# Altium PCB I2C_Jog_Controller.pcbdoc (part 6 of 9)
Units mil, origin at the board's own origin, x right, y up, seen from the top; angles counter-clockwise.
Board outline 3937.01 x 3937.01 mil, 2 copper layers (Top Layer, Bottom Layer), stack 65.398 mil thick; 211 components, 144 nets, 5702 pads, 342 vias.
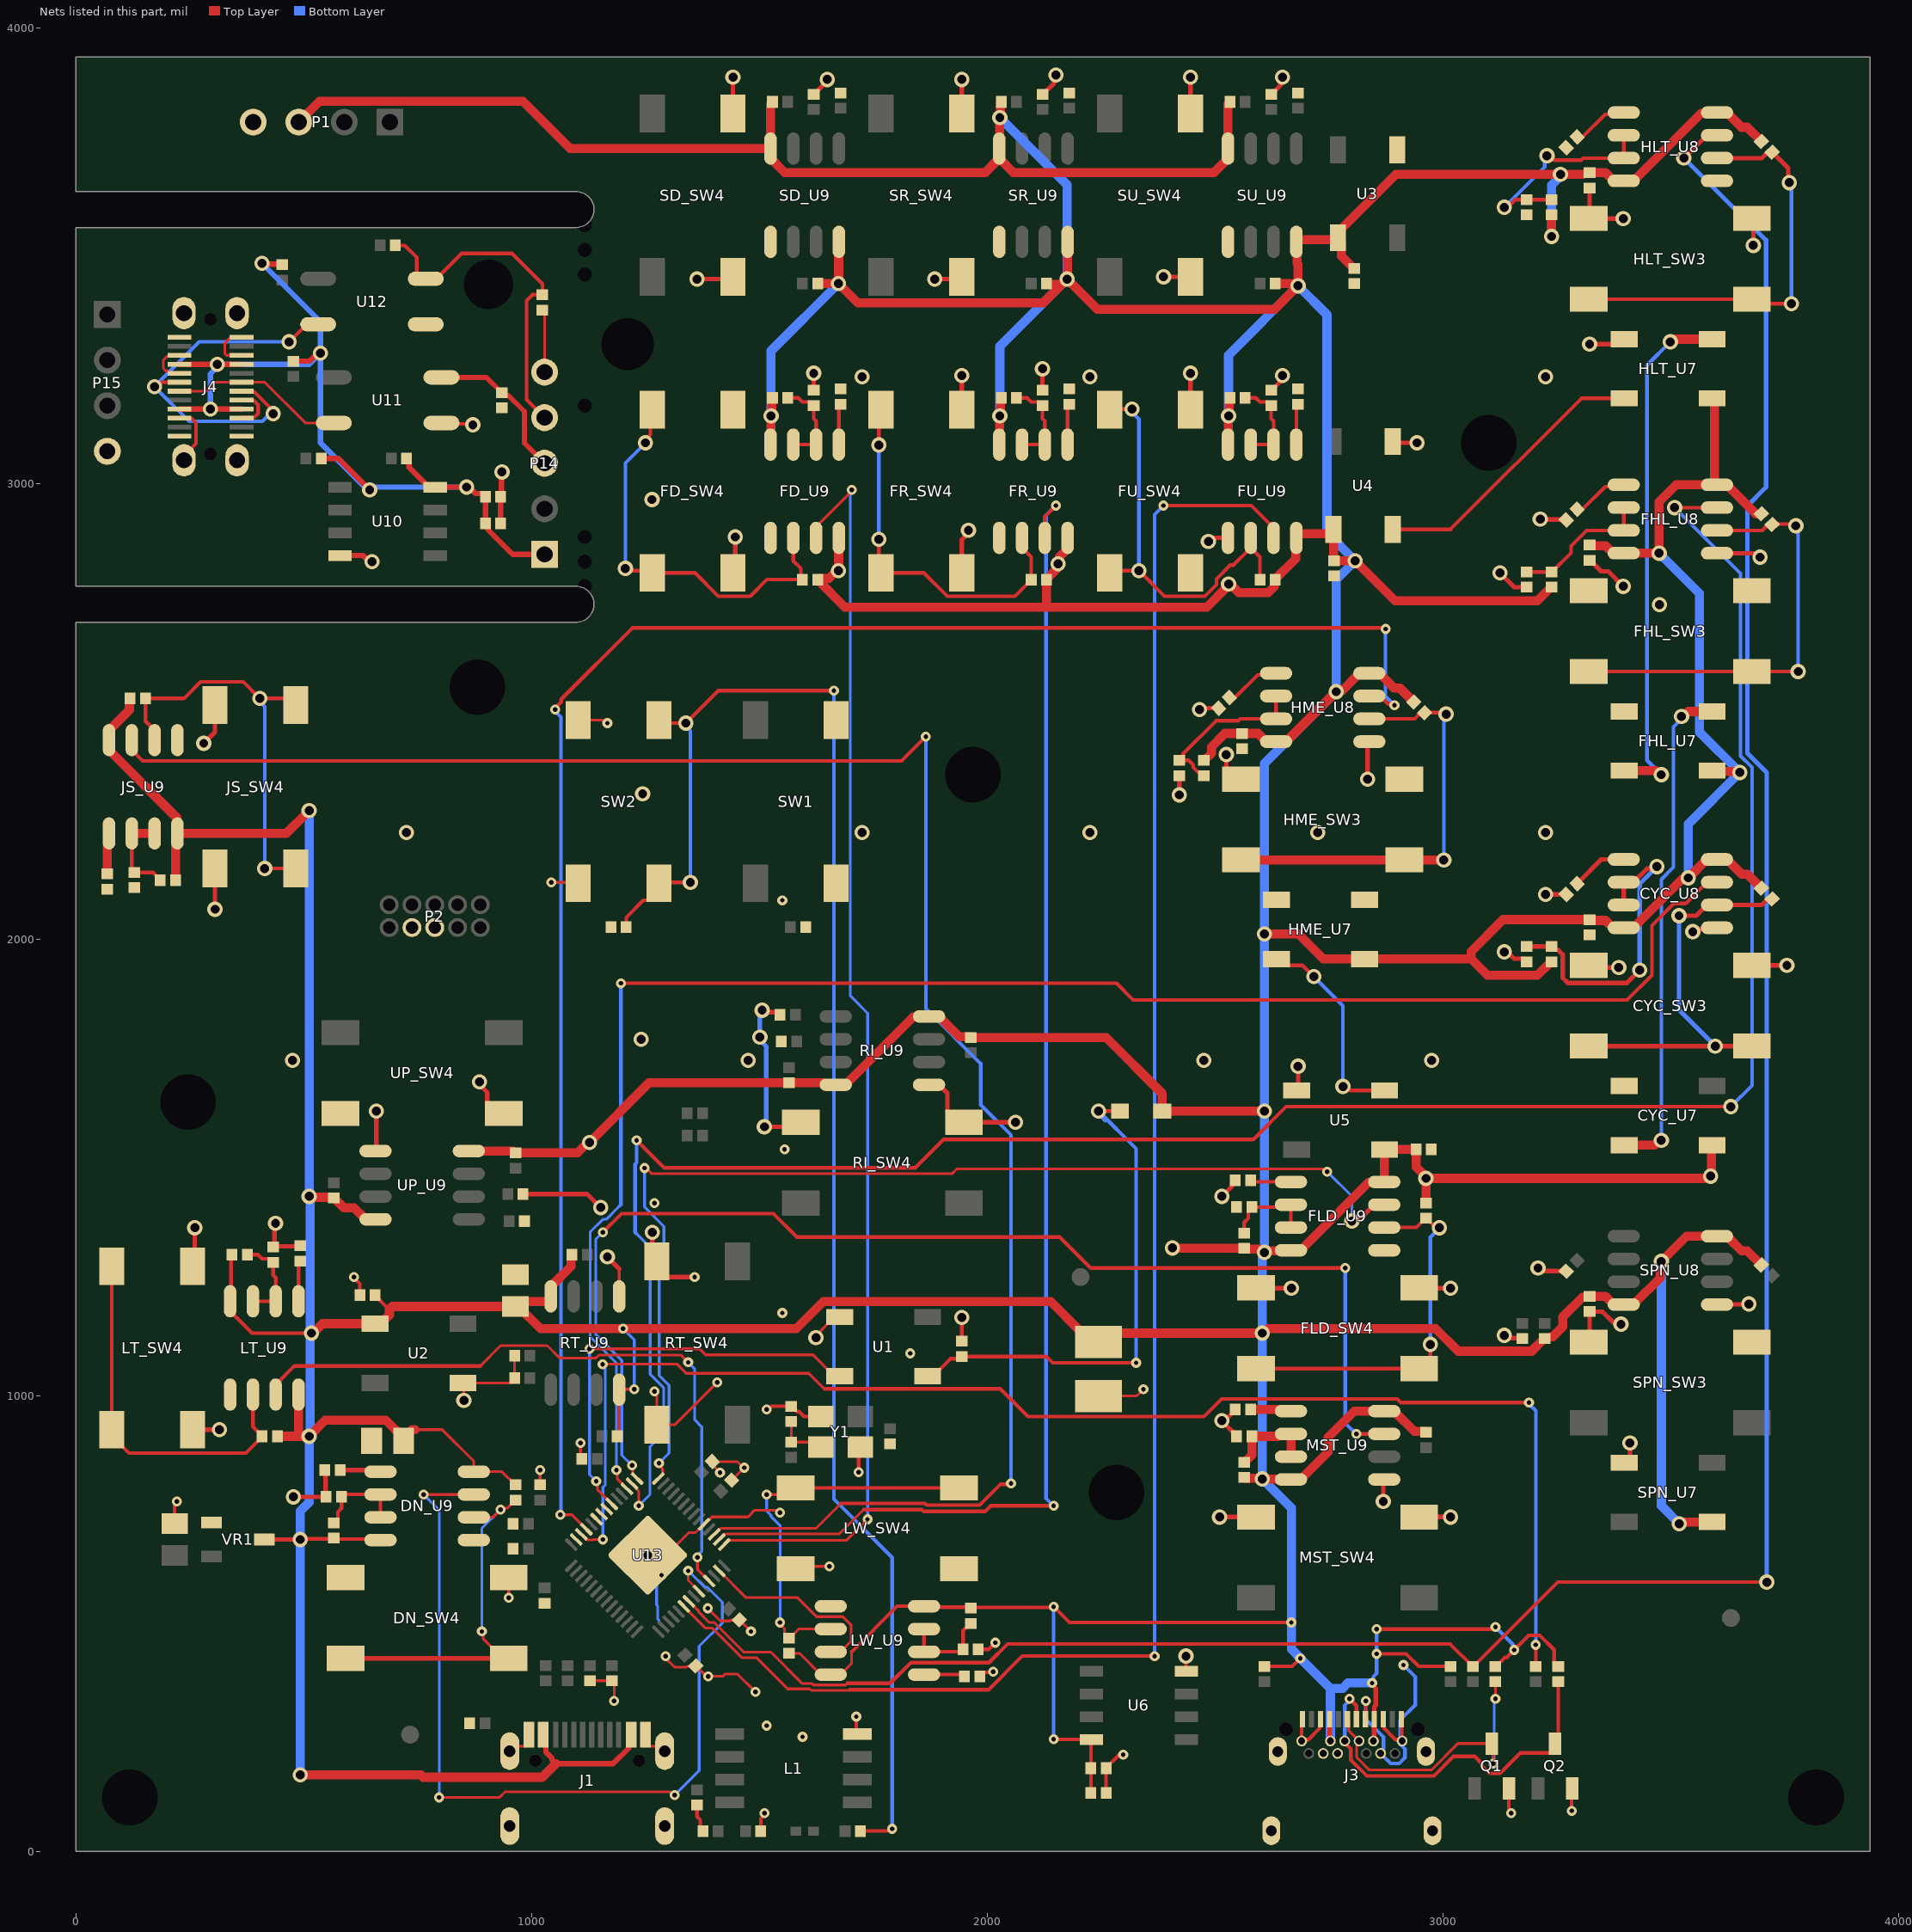
[diagram p6: the nets of this part, all layers, seen from the top]

## Via types
v1: diameter 33.46, hole 19.68, Top Layer to Bottom Layer, tented both sides, 196 vias
v2: diameter 22, hole 10, Top Layer to Bottom Layer, tented both sides, 146 vias

## Nets (pads, with @x,y where several pads share a name; then routed paths per layer and width w, separated by ;. In a path a pad name is that pad's centre, name@x,y a point inside that pad or via, vN(x,y) a via of type N, cw(c..) or ccw(c..) an arc to the next point about the centre after c; other vN are vias at no path point) (continued)
+5V: C4.2 C5.2 C6.2 C7.2 C8.2 C9.2 C20.2 C36.2 C37.1 CYC_C12.2 CYC_R13.1 CYC_R14.1 CYC_U7.1 CYC_U8.4 CYC_U8.8 D1.1 DN_R15.1 DN_R16.1 DN_U9.4 DN_U9.8 FD_R15.1 FD_R16.1 FD_U9.4 FD_U9.8 FHL_C12.2 FHL_R13.1 FHL_R14.1 FHL_U7.1 FHL_U8.4 FHL_U8.8 FLD_R15.1 FLD_R16.1 FLD_U9.4 FLD_U9.8 FR_R15.1 FR_R16.1 FR_U9.4 FR_U9.8 FU_R15.1 FU_R16.1 FU_U9.4 FU_U9.8 HLT_C12.2 HLT_R13.1 HLT_R14.1 HLT_U7.1 HLT_U8.4 HLT_U8.8 HME_C12.2 HME_R13.1 HME_R14.1 HME_U7.1 HME_U8.4 HME_U8.8 J1.A4B9 J1.B4A9 J3.A4 J3.A9 J3.B4 J3.B9 JS_R15.1 JS_R16.1 JS_U9.4 JS_U9.8 LT_R15.1 LT_R16.1 LT_U9.4 LT_U9.8 LW_R15.1 LW_R16.1 LW_U9.4 LW_U9.8 MST_R15.1 MST_R16.1 MST_U9.4 MST_U9.8 P1.3 R6.1 R7.1 R23.2 R24.2 RI_R15.1 RI_R16.1 RI_U9.4 RI_U9.8 RT_R15.1 RT_R16.1 RT_U9.4 RT_U9.8 SD_R15.1 SD_R16.1 SD_U9.4 SD_U9.8 SPN_C12.2 SPN_R13.1 SPN_R14.1 SPN_U7.1 SPN_U8.4 SPN_U8.8 SR_R15.1 SR_R16.1 SR_U9.4 SR_U9.8 SU_R15.1 SU_R16.1 SU_U9.4 SU_U9.8 U2.1 U3.1 U4.1 U5.1 U6.8 UP_R15.1 UP_R16.1 UP_U9.4 UP_U9.8 VR1.3 | length 33200.9
  Top Layer w6: 743.7,925.2 803.49,925.2 873.03,855.65 DN_U9.4@873.03,832.87 934.84,832.87 963.58,804.13 DN_R16.1@964.57,804.13 ; RT_R15.1@1187.99,910.43 1192.13,914.57 RT_U9.8@1192.13,1012.8 1193.11,1013.78 v2(1225.39,1013.78) ; LW_R16.1@1564.96,434.06 1588.39,434.06 1634.84,387.6 1678.15,387.6 1701.93,411.38 1701.93,437.17
  Top Layer w8: LT_R15.1@342.52,1309.06 340.45,1306.99 340.45,1208.76 LT_U9.8@338.39,1206.69 338.39,1185.04 386.61,1136.81 v1(516.73,1136.81) ; v1(492.13,684.06) 493.6,685.53 564.47,685.53 DN_R15.1@565.94,687.01 568.01,684.94 666.24,684.94 DN_U9.8@668.31,682.87 ; C5.2@656.5,1220.47 656.5,1219.49 680.71,1195.28 694.29,1195.28 ; 1701.93,437.17 1802.36,537.6 LW_U9.8@1861.22,537.6 1863.29,535.53 1961.52,535.53 LW_R15.1@1963.58,533.46 1965.06,534.94 2147.15,534.94 2180.12,501.97 v2(2667.32,501.97) ; v2(2145.67,246.06) 2146.26,245.47 2227.76,245.47 U6.8@2228.35,244.88 2227.36,243.9 C8.2@2227.36,127.95 ; R24.2@2608.27,405.51 2669.29,405.51 v2(2687.01,423.23) ; v2(2854.33,433.07) 2919.25,433.07 2946.81,405.51 R23.2@3016.73,405.51 ; v2(2854.33,487.2) 3106.45,487.2 3111.37,492.13 v2(3115.16,492.13) ; R7.1@3115.16,405.51 3116.14,405.51 3135.79,425.16 3139.73,425.16 3188.32,473.76 3212.44,473.76 3244.16,442.04 3244.16,412.34 R6.1@3252.95,403.54
  Top Layer w10: VR1.3@413.39,684.06 v1(492.13,684.06) ; J3.A4@2750.98,289.57 2751.88,288.66 2751.88,243 J3.B9@2752.95,241.93 ; v2(2844.49,369.09) 2844.49,365.85 2852.6,357.73 2852.6,320.49 2849.41,317.29 J3.A9@2849.41,289.57 2848.5,288.66 2848.5,242.99 J3.B4@2847.44,241.93
  Top Layer w12: J1.A4B9@1025.59,255.71 1031.4,249.9 1031.4,217.8 1044.66,204.54 1044.66,200.41 1053.15,191.93 1178.58,191.93 1212.69,226.04 1212.69,249.9 J1.B4A9@1218.5,255.71
  Top Layer w20: JS_R16.1@119.09,2529.53 117.28,2527.72 117.28,2504.29 75.11,2462.11 75.11,2440.46 JS_U9.4@72.64,2437.99 75.11,2435.52 75.11,2413.87 221.19,2267.78 221.19,2234.71 JS_U9.8@222.64,2233.27 ; JS_R15.1@218.5,2130.91 218.5,2205.43 222.64,2209.57 JS_U9.8@222.64,2233.27 ; LT_R16.1@441.93,910.43 488.39,910.43 ; LT_U9.4@488.39,1001.97 488.39,910.43 ; P1.3@488.98,3794.29 534.5,3839.82 981.2,3839.82 1084.79,3736.22 SD_U9.8@1524.41,3736.22 ; v1(492.13,167.32) 757.18,167.32 762.16,162.35 1023.57,162.35 1053.15,191.93 ; v1(511.81,1437.01) 513.94,1434.88 565.12,1434.88 588.09,1411.91 610.53,1411.91 633.36,1389.08 655.01,1389.08 UP_U9.4@657.48,1386.61 ; v1(511.81,2283.46) 461.61,2233.27 JS_U9.8@222.64,2233.27 ; v1(516.73,1136.81) 520.38,1136.81 541.05,1157.48 668.31,1157.48 687.99,1177.17 687.99,1188.98 694.29,1195.28 C20.2@970.67,1195.28 ; C36.2@719.09,900.59 C36.2@719.09,906.69 ; 743.7,925.2 737.6,925.2 C36.2@719.09,906.69 ; UP_U9.8@862.2,1536.61 959.45,1536.61 961.77,1534.29 962.76,1534.29 UP_R15.1@964.57,1532.48 1100.69,1532.48 1123.32,1555.12 v1(1126.97,1555.12) 1257.87,1686.02 1562.17,1686.02 1563.98,1684.21 RI_R15.1@1564.96,1684.21 ; RT_R16.1@1088.58,1309.06 1086.77,1307.24 1086.77,1283.82 1044.59,1241.64 1044.59,1219.99 RT_U9.4@1042.13,1217.52 1042.13,1209.89 1038.63,1206.4 981.79,1206.4 C20.2@970.67,1195.28 ; v2@1199.86,1146.27 1199.86,1146.65 1019.29,1146.65 C20.2@970.67,1195.28 ; v2@1201.71,1146.27 1201.71,1146.65 1580.72,1146.65 1640.03,1205.96 2139.51,1205.96 2202.91,1142.56 2238.35,1142.56 2244.09,1136.81 v1(2603.35,1136.81) ; FD_U9.8@1524.41,3086.61 1525,3087.21 1525,3149.02 1527.07,3151.08 1527.07,3187.5 FD_R15.1@1528.54,3188.98 ; SD_R15.1@1528.54,3838.58 1526.73,3836.77 1526.73,3835.79 1524.41,3833.46 SD_U9.8@1524.41,3736.22 ; RI_R15.1@1564.96,1686.02 1639.49,1686.02 1643.62,1681.89 RI_U9.8@1667.32,1681.89 1669.79,1684.36 1691.45,1684.36 1837.53,1830.44 1870.6,1830.44 RI_U9.4@1872.05,1831.89 1874.52,1829.42 1896.17,1829.42 1938.35,1787.24 1961.77,1787.24 RI_R16.1@1963.58,1785.43 1966.38,1785.43 2260.98,1785.43 2384.06,1662.35 D1.1@2384.06,1624.02 v1(2608.27,1624.02) ; SD_R16.1@1627.95,3439.96 v1(1673.23,3439.96) ; FD_U9.4@1674.41,2881.89 1673.82,2881.3 1673.82,2810.63 1670.18,2810.63 1652.69,2793.15 1629.76,2793.15 1627.95,2791.34 FD_R16.1@1627.95,2790.35 1629.76,2788.54 1629.76,2787.56 1687.54,2729.79 2481.86,2729.79 2529.53,2777.46 v1(2529.53,2780.51) 2533.17,2780.51 2552.12,2761.56 2616.86,2761.56 2630.08,2774.77 2630.08,2789.53 2676.9,2836.35 2676.9,2886.3 2681.84,2891.24 2752.13,2891.24 2759.84,2898.96 U4.1@2759.84,2900.59 ; SD_U9.4@1674.41,3531.5 1673.82,3530.91 1673.82,3440.55 v1(1673.23,3439.96) ; SR_U9.8@2023.91,3712.1 1995.42,3683.61 1555.37,3683.61 1526.88,3712.1 1526.88,3733.75 SD_U9.8@1524.41,3736.22 ; FR_U9.8@2026.38,3086.61 2026.97,3087.2 2026.97,3149.02 2029.04,3151.08 2029.04,3187.5 FR_R15.1@2030.51,3188.98 ; SR_U9.8@2026.38,3717.93 SR_U9.8@2026.38,3736.22 2026.97,3736.81 v1@2026.97,3803.54 ; SR_U9.8@2028.85,3712.1 2057.33,3683.61 2497.39,3683.61 2525.88,3712.1 2525.88,3733.75 SU_U9.8@2528.35,3736.22 2528.35,3833.46 2530.67,3835.79 2530.67,3836.77 SU_R15.1@2532.48,3838.58 ; v1@2029.04,3805.61 2029.04,3837.11 SR_R15.1@2030.51,3838.58 ; 2129.92,2729.79 2129.92,2747.56 FR_R16.1@2129.92,2790.35 2131.73,2792.17 2131.73,2793.15 2152.94,2814.35 2152.94,2822.23 2158.09,2827.38 2158.09,2839.9 2176.38,2858.19 FR_U9.4@2176.38,2881.89 ; SR_R16.1@2129.92,3439.96 2131.73,3438.14 2163.53,3438.14 2122.78,3397.39 1715.8,3397.39 v1(1673.23,3439.96) ; SR_U9.4@2176.38,3531.5 2175.79,3530.91 2175.79,3450.39 v1(2175.2,3449.8) 2241.61,3383.39 2630.43,3383.39 v1(2682.09,3435.04) ; v1(2406.5,1323.82) 2406.99,1323.33 2563.48,1323.33 2565.79,1321.02 v1@2597.14,1321.02 ; HME_R13.1@2475.39,2393.7 2476.38,2393.7 2491.87,2409.2 2491.87,2422.87 2521.76,2452.76 2593.85,2452.76 2611.76,2434.84 2655.91,2434.84 2765.35,2544.29 v1(2765.75,2544.29) ; FU_U9.8@2528.35,3086.61 2528.94,3087.2 2528.94,3149.02 2531,3151.08 2531,3187.5 FU_R15.1@2532.48,3188.98 ; MST_R15.1@2563.98,819.88 2565.45,818.41 2601.87,818.41 2603.94,816.34 2665.75,816.34 MST_U9.8@2666.34,815.75 2668.81,818.22 2690.46,818.22 2748.05,875.8 2748.05,908.16 2805.63,965.75 MST_U9.4@2871.06,965.75 2873.53,963.28 2895.19,963.28 2937.36,921.1 2960.79,921.1 MST_R16.1@2962.6,919.29 ; v1(2608.27,2012.8) 2682.51,2012.8 2737.63,1957.68 3062.01,1957.68 ; v1@2615.19,1317.25 2664.89,1317.25 2668.81,1321.17 2690.46,1321.17 2836.55,1467.25 2869.62,1467.25 2871.56,1469.19 2871.56,1538.88 2872.54,1539.86 2940.45,1539.86 C4.2@2940.94,1540.35 2940.94,1501.68 2962.6,1480.02 v1(2962.6,1476.38) ; 2617.11,1146.93 2984.01,1146.93 3033.75,1097.19 3194.63,1097.19 3220.63,1123.19 3221.61,1123.19 SPN_R13.1@3223.43,1125 ; SU_R16.1@2631.89,3439.96 2673.52,3439.96 2678.44,3435.04 v1(2682.09,3435.04) ; U4.1@2760.33,2881.4 2760.33,2832.19 C6.2@2760.83,2831.69 v1(2807.09,2831.69) 2894.96,2743.82 3207.4,2743.82 3235.39,2771.81 3236.38,2771.81 FHL_R13.1@3238.19,2773.62 ; U3.1@2769.69,3528.54 2762.3,3535.93 2681.84,3535.93 2678.35,3532.43 SU_U9.4@2678.35,3531.5 2679.79,3530.05 2679.79,3484.07 2682.09,3481.77 v1(2682.09,3435.04) ; v1@2778.95,2546.87 2816.93,2584.84 HME_U8.4@2838.58,2584.84 2841.05,2582.37 2862.71,2582.37 2892.41,2552.66 2905.01,2552.66 HME_R14.1@2936,2521.67 ; C7.2@2805.12,3473.43 2803.31,3475.24 2802.32,3475.24 2777.4,3500.16 2777.4,3532.64 U3.1@2769.69,3540.35 2769.69,3552.17 2896.93,3679.41 3307.72,3679.41 ; FLD_R16.1@2962.6,1422.24 v1(2962.6,1476.38) ; 3237.55,1128.66 3240.86,1128.66 3262.54,1150.35 3262.54,1171.98 3306.27,1215.71 3320.04,1215.71 SPN_C12.2@3321.85,1217.52 3356.65,1217.52 3374.56,1199.61 3416.26,1199.61 3418.73,1202.08 3420.78,1202.08 3476.75,1258.05 3476.75,1291.71 3534.65,1349.61 SPN_U8.4@3601.38,1349.61 3603.85,1347.14 3625.5,1347.14 3655.21,1317.43 3667.81,1317.43 SPN_R14.1@3698.8,1286.44 ; CYC_R13.1@3238.19,1951.77 3236.38,1949.96 3235.39,1949.96 3207.4,1921.97 3097.72,1921.97 3062.01,1957.68 ; v1(3238.19,3543.31) HLT_R13.1@3238.19,3590.55 ; FHL_C12.2@3321.85,2866.14 3323.66,2864.33 3356.85,2864.33 3372.95,2848.23 v1(3474.51,2848.23) 3474.51,2960.56 3512.17,2998.23 FHL_U8.4@3601.38,2998.23 ; HLT_C12.2@3321.85,3683.07 3356.65,3683.07 3374.56,3665.16 HLT_U8.8@3396.65,3665.16 3399.12,3667.63 3420.78,3667.63 3566.86,3813.71 3599.93,3813.71 HLT_U8.4@3601.38,3815.16 3603.85,3812.69 3625.5,3812.69 3655.21,3782.98 3667.81,3782.98 3697.52,3753.27 HLT_R14.1@3698.8,3751.99 ; v1(3518.7,718.5) 3522.34,718.5 3526.28,722.44 SPN_U7.1@3590.55,722.44 ; CYC_U7.1@3590.55,1549.21 3589.07,1547.74 3589.07,1482.78 v1(3587.6,1481.3) 3583.95,1481.3 3579.03,1476.38 v1(2962.6,1476.38) ; FHL_U7.1@3590.55,2371.06 3592.52,2369.09 3649.61,2369.09 v1(3651.57,2367.13) ; HLT_U7.1@3590.55,3187.99 3595.96,3182.58 3595.96,3001.72 3599.46,2998.23 FHL_U8.4@3601.38,2998.23 ; CYC_R14.1@3698.8,2113.21 3667.81,2144.2 3655.21,2144.2 3625.5,2173.91 3603.85,2173.91 CYC_U8.4@3601.38,2176.38 3579.27,2176.38 3538.74,2135.85 v1(3538.28,2135.85) 3535.7,2133.27 3525.2,2133.27 3420.78,2028.85 3399.12,2028.85 CYC_U8.8@3396.65,2026.38 3372.95,2026.38 3356.85,2042.48 3323.66,2042.48 CYC_C12.2@3321.85,2044.29 3132.05,2044.29 3062.01,1974.25 3062.01,1957.68 ; FHL_R14.1@3698.8,2935.06 3698.1,2934.36 3686.9,2934.36 3625.5,2995.76 3603.85,2995.76 FHL_U8.4@3601.38,2998.23 ; 488.39,910.43 v1(511.81,910.43) 546.91,945.53 680.26,945.53 C36.2@719.09,906.69
  Bottom Layer w6: v2(1200.79,1146.65) 1225.39,1122.05 v2(1225.39,1013.78)
  Bottom Layer w8: v2(2145.67,246.06) v2(2145.67,536.42) ; v2(2844.49,369.09) 2847.17,371.77 2847.17,383.18 2854.33,390.34 v2(2854.33,487.2) ; v2(3115.16,492.13) 3153.46,453.82 3153.46,444.25 v2(3156.14,441.57)
  Bottom Layer w20: v1(492.13,167.32) 492.13,746.31 511.81,765.99 v1(511.81,910.43) 514.27,912.89 v1@514.27,1134.35 ; v1(511.81,2283.46) v1(511.81,1437.01) 514.27,1434.55 v1@514.27,1139.27 ; v1(1525.59,3149.61) 1525.59,3292.32 v1(1673.23,3439.96) ; v1(2027.56,3149.61) 2027.56,3302.17 v1(2175.2,3449.8) 2175.2,3656.5 v1(2027.56,3804.13) ; v1(2529.53,3149.61) 2529.53,3282.48 v1(2682.09,3435.04) 2745.5,3371.63 2745.5,2893.28 v1(2807.09,2831.69) 2765.75,2790.35 v1(2765.75,2544.29) 2608.27,2386.81 2608.27,1310.33 2603.35,1305.41 v1(2603.35,816.93) 2667.32,752.95 2667.32,443.45 2687.01,423.77 v2(2687.01,423.23) 2752.95,357.28 ; J3.B9@2752.95,241.93 2752.95,357.28 ; v2(2844.49,369.09) 2791.54,369.09 2779.73,357.28 2752.95,357.28 ; v1(3238.19,3543.31) 3238.19,3656.08 3257.87,3675.77 v1(3257.87,3679.41) ; v1(3474.51,2848.23) 3563.04,2759.69 3563.04,2455.66 v1(3651.57,2367.13) 3538.28,2253.83 v1(3538.28,2135.85) ; v1(3479.33,1294.29) 3479.33,757.87 v1(3518.7,718.5)
  other v1: 2608.27,1313.98 1673.23,2810.04 2155.51,2824.8
+5V_CONN: C10.2 C11.2 J4.A4 J4.A9 J4.B4 J4.B9 P14.1 R4.1 R5.1 R8.2 R9.2 U10.8 | length 2106.5
  Top Layer w12: J4.A4@227.16,3164.37 v1(295.28,3164.37) J4.B9@363.38,3164.37 ; J4.A9@227.16,3262.8 v1(310.04,3262.8) J4.B4@363.38,3262.8 ; v1(408.46,3484.25) 409.94,3482.78 451.28,3482.78 R4.1@452.76,3481.3 ; R5.1@477.36,3269.68 512.89,3269.68 530.61,3287.4 v1(536.42,3287.4) ; R9.2@538.39,3056.1 575.79,3056.1 v1(644.68,2987.2) ; R8.2@725.39,3056.1 731.2,3050.29 731.2,3036.71 774.61,2993.31 863.29,2993.31 877.36,2979.24 892.81,2979.24 898.62,2973.43 C11.2@898.62,2972.44 ; C11.2@898.62,2972.44 C10.2@898.62,2913.39 904.43,2907.57 904.43,2899.46 958.23,2845.67 P14.1@1028.54,2845.67
  Bottom Layer w12: v1(295.28,3164.37) 295.28,3242.22 310.04,3256.99 v1(310.04,3262.8) 511.81,3262.8 v1(536.42,3287.4) ; v1(408.46,3484.25) 536.42,3356.3 v1(536.42,3287.4) ; v1(857.48,2993.31) 633.66,2993.31 536.42,3090.55 v1(536.42,3287.4)
BOOTSEL: C3.2 R17.1 SW2.1 SW2.2 | length 3594.3
  Top Layer w8: C3.2@1207.68,2027.56 1207.68,2049.15 1245.2,2086.68 1255.97,2086.68 1279.53,2110.24 SW2.2@1279.53,2124.02 1281.5,2125.98 v1(1348.43,2125.98) ; SW2.1@1279.53,2482.28 1286.42,2475.39 v1(1338.58,2475.39) 1409.81,2546.62 v2(1663.39,2546.62) ; R17.1@1721.46,44.29 1782.63,44.29 1787.55,49.21 v2(1791.34,49.21)
  Bottom Layer w8: v1(1338.58,2475.39) 1338.58,2468.5 1348.43,2458.66 v1(1348.43,2125.98) ; v2(1663.39,2546.62) 1663.39,772.47 1791.34,644.51 v2(1791.34,49.21)
CYC/ST: CYC_U8.3 U13.31 | length 3766
  Top Layer w6: v2(1186.02,836.61) 1188.13,834.5 1188.13,816.61 U13.31@1209.34,795.41
  Top Layer w8: v2(1195.87,1904.53) 2283.66,1904.53 2320.24,1867.95 3404.25,1867.95 3458.46,1922.17 3458.46,2030.98 3507.05,2079.57 3532.92,2079.57 3579.72,2126.38 CYC_U8.3@3601.38,2126.38
  Bottom Layer w6: v2(1186.02,836.61) 1186.02,1071.59 1128.61,1129.01 1128.61,1358.66 1156.61,1386.67 1163.65,1386.67 1192.98,1416
  Bottom Layer w8: 1192.98,1416 1195.87,1418.89 v2(1195.87,1904.53)
CYC_LED_IN: CYC_U7.4 FHL_U7.2 | length 1106.1
  Top Layer w20: CYC_U7.4@3397.64,1549.21 3464.86,1549.21 3475.69,1560.04 v1(3479.33,1560.04) ; v1(3523.62,2490.16) 3527.27,2490.16 3538.09,2500.98 FHL_U7.2@3590.55,2500.98
  Bottom Layer w8: v1(3479.33,1560.04) 3479.33,2132.47 3506.06,2159.2 3506.06,2467.08 3523.62,2484.64 v1(3523.62,2490.16)
DOWN: DN_U9.3 U13.9 | length 1938.4
  Top Layer w6: v2(762.8,782.48) 762.99,782.68 872.83,782.68 DN_U9.3@873.03,782.87 ; v2(797.24,118.11) 929.71,118.11 941.86,130.27 1303.49,130.27 1310.73,123.03 v2(1313.98,123.03) ; v2(1343.61,615.32) 1343.61,594.32 U13.9@1367.32,570.61
  Bottom Layer w6: v2(762.8,782.48) 789.2,756.08 797.24,748.03 797.24,689.13 v2(797.24,118.11) ; v2(1313.98,123.03) 1367.8,176.85 1367.8,450.14 1418.54,500.88 1418.54,546.22 1385.52,579.24 1379.7,579.24 v2(1343.61,615.32)
FEED/HOLD: FHL_U8.3 U13.30 | length 4885.8
  Top Layer w6: U13.30@1220.47,806.55 1220.47,805.22 1235.24,790.46 v2(1235.24,757.87)
  Top Layer w8: v2(1230.32,1560.04) 1290.69,1499.67 1841.68,1499.67 1903.86,1561.85 2583.91,1561.85 2655.92,1633.86 v1(3631.89,1633.86) ; v1(3508.46,2948.23) FHL_U8.3@3601.38,2948.23
  Bottom Layer w6: 1230.32,1354.91 1260,1325.23 1260,1046.83 1289.68,1017.14 1289.68,916.9 1259.53,886.74 1259.53,782.17 v2(1235.24,757.87)
  Bottom Layer w8: 1230.32,1354.91 1227.09,1358.13 1227.09,1507.78 1230.32,1511 v2(1230.32,1560.04) ; v1(3508.46,2948.23) 3653.13,2803.56 3653.13,2403.37 3678.31,2378.2 3678.31,1680.28 v1(3631.89,1633.86)
FEEDOVR/DN: FD_U9.3 U13.15 | length 2751
  Top Layer w6: U13.15@1423,672.92 1432.39,682.32 1691.18,682.32 v2(1737.2,728.35) ; FD_U9.3@1624.41,2881.89 1624.41,2906.2 1702.76,2984.55 v2(1702.76,2987.2)
  Bottom Layer w6: v2(1702.76,2987.2) 1702.76,2982.88 1699.46,2979.58 1699.46,1876.69 1737.52,1838.63 1737.52,728.66 v2(1737.2,728.35)
FEEDOVR/RESET: FR_U9.3 U13.16 | length 3059.2
  Top Layer w6: U13.16@1411.86,684.06 1413.19,684.06 1425.48,696.35 1675.51,696.35 1728.51,749.35
  Top Layer w8: 1728.51,749.35 1857.06,749.35 1860.72,745.69 1995.21,745.69 2007.39,757.87 v2(2145.67,757.87) ; FR_U9.3@2126.38,2881.89 2126.38,2928.54 v2(2150.59,2952.76)
  Bottom Layer w8: v2(2145.67,757.87) 2128.78,774.76 2128.78,2930.94 v2(2150.59,2952.76)
FEEDOVR/UP: FU_U9.3 U13.6 | length 3957.1
  Top Layer w6: U13.6@1333.91,537.21 1381.2,489.92 1395.64,489.92 1460.78,424.78 1493.55,424.78 1562.13,356.2 1609.99,356.2 1613.37,352.82 1696.8,352.82 1698.31,354.33
  Top Layer w8: 1698.31,354.33 2003.12,354.33 2076.94,428.15 v2(2367.13,428.15) ; v2(2386.81,2952.76) 2579.13,2952.76 2628.35,2903.54 FU_U9.3@2628.35,2881.89
  Bottom Layer w8: v2(2367.13,428.15) 2367.13,2933.07 v2(2386.81,2952.76)
FHL_LED_IN: FHL_U7.4 HLT_U7.2 | length 1163.4
  Top Layer w20: FHL_U7.4@3397.64,2371.06 3466.83,2371.06 3475.69,2362.2 v1(3479.33,2362.2) ; v1(3499.02,3312.01) 3502.66,3312.01 3508.56,3317.91 HLT_U7.2@3590.55,3317.91
  Bottom Layer w8: v1(3479.33,2362.2) 3447.77,2393.76 3447.77,3260.77 v1(3499.02,3312.01)
FLOOD: FLD_U9.3 U13.28 | length 2455.5
  Top Layer w6: v2(1248.09,1499.08) 1251.56,1499.08 1263.97,1486.67 1922.72,1486.67 1933.24,1497.19 2735.69,1497.19 2741.73,1491.14 v2(2746.06,1491.14) ; U13.28@1278.24,817.68 1287.63,827.08 1287.63,838.94 1279.53,847.05 v2(1279.53,851.38)
  Top Layer w10: v1(2800.2,1382.87) 2804.69,1387.36 2818.07,1387.36 2849.41,1418.7 FLD_U9.3@2871.06,1418.7
  Bottom Layer w6: v2(1248.09,1499.08) 1247.79,1498.78 1247.79,1413.5 1290.5,1370.8 1290.5,1292.61 1279.82,1281.93 1279.82,1043.98 1301.68,1022.11 1301.68,873.54 v2(1279.53,851.38) ; v2(2746.06,1491.14) 2800.2,1437.01 v1(2800.2,1382.87)
G29/A3: U13.41
GND: C1.1 C2.1 C3.1 C4.1 C5.1 C6.1 C7.1 C8.1 C9.1 C19.1 C20.1 C21.1 C22.2 C23.2 C24.1 C25.1 C26.1 C27.1 C28.1 C29.1 C30.1 C31.1 C32.1 C33.1 C34.1 C35.1 C36.1 C37.2 CYC_C12.1 CYC_C13.1 CYC_C14.2 CYC_SW3.1 CYC_SW3.2 CYC_U7.3 CYC_U8.1 DN_C15.1 DN_C16.2 DN_SW4.1 DN_SW4.2 DN_U9.1 FD_C15.1 FD_C16.2 FD_SW4.1 FD_SW4.2 FD_U9.1 FHL_C12.1 FHL_C13.1 FHL_C14.2 FHL_SW3.1 FHL_SW3.2 FHL_U7.3 FHL_U8.1 FLD_C15.1 FLD_C16.2 FLD_SW4.1 FLD_SW4.2 FLD_U9.1 FR_C15.1 FR_C16.2 FR_SW4.1 FR_SW4.2 FR_U9.1 FU_C15.1 FU_C16.2 FU_SW4.1 FU_SW4.2 FU_U9.1 HLT_C12.1 HLT_C13.1 HLT_C14.2 HLT_SW3.1 HLT_SW3.2 HLT_U7.3 HLT_U8.1 HME_C12.1 HME_C13.1 HME_C14.2 HME_SW3.1 HME_SW3.2 HME_U7.3 HME_U8.1 J1.A1B12 J1.B1A12 J1.S1 J1.S2 J1.S3 J1.S4 J3.1 J3.2 J3.3 J3.4 J3.A1 J3.A3 J3.A8 J3.A10 J3.A12 J3.B1 J3.B3 J3.B8 J3.B10 J3.B12 JS_C15.1 JS_C16.2 JS_SW4.1 JS_SW4.2 JS_U9.1 L1.4 LT_C15.1 LT_C16.2 LT_SW4.1 LT_SW4.2 LT_U9.1 LW_C15.1 LW_C16.2 LW_SW4.1 LW_SW4.2 LW_U9.1 MST_C15.1 MST_C16.2 MST_SW4.1 MST_SW4.2 MST_U9.1 P1.4 P2.3 P2.5 Q1.2 Q2.2 R20.2 R21.2 RI_C15.1 RI_C16.2 RI_SW4.1 RI_SW4.2 RI_U9.1 RT_C15.1 RT_C16.2 RT_SW4.1 RT_SW4.2 RT_U9.1 SD_C15.1 SD_C16.2 SD_SW4.1 SD_SW4.2 SD_U9.1 SPN_C12.1 SPN_C13.1 SPN_C14.2 SPN_SW3.1 SPN_SW3.2 SPN_U7.3 SPN_U8.1 SR_C15.1 SR_C16.2 SR_SW4.1 SR_SW4.2 SR_U9.1 SU_C15.1 SU_C16.2 SU_SW4.1 SU_SW4.2 SU_U9.1 SW1.3 SW1.4 SW2.3 SW2.4 U1.3 U2.3 U3.3 U4.3 U5.3 U6.4 U13.19 U13.57 UP_C15.1 UP_C16.2 UP_SW4.1 UP_SW4.2 UP_U9.1 VR1.1 Y1.2 Y1.4 | length 8715.9
  Top Layer w6: v1(851.38,989.17) 851.38,1025.59 U2.3@849.41,1027.56 952.76,1027.56 962.6,1037.4 RT_C16.2@962.6,1038.39 RT_C15.1@962.6,1087.6 ; v2(949.8,556.1) DN_SW4.2@949.8,600.39 ; J1.S1@951.97,219.69 962.45,230.17 985.28,230.17 994.09,238.98 J1.A1B12@994.09,255.71 ; C28.1@1018.7,804.13 v2(1018.7,836.61) ; v2(1043.31,2125.98) 1100.39,2125.98 SW2.4@1102.36,2124.02 ; SW2.3@1102.36,2482.28 1155.12,2482.28 1162.01,2475.39 v2(1166.34,2475.39) ; v2(1107.28,895.67) 1107.28,864.17 C32.1@1110.24,861.22 ; C27.1@1127.76,374.02 C24.1@1176.18,374.02 1181.1,369.09 v2(1181.1,329.72) ; RT_U9.1@1192.13,1217.52 1192.13,1278.35 ; J1.B1A12@1250,255.71 1250,238.98 1258.81,230.17 1281.65,230.17 J1.S2@1292.13,219.69 ; v1(1254.92,649.61) 1295.53,649.61 1345.06,699.13 1359.7,699.13 1378.03,717.46 1379.78,717.46 1395.88,733.56 1474.92,733.56 1489.71,748.35 1535.71,748.35 1540.95,743.11 v2(1545.28,743.11) ; v2(1269.68,1008.86) 1269.68,1004.53 1274.61,999.61 RT_SW4.1@1274.61,936.02 1314.96,936.02 v2(1407.48,1028.54) ; v2(1294.29,428.15) 1294.29,423.23 1313.78,403.74 1339.63,403.74 1341.67,405.78 1359.56,405.78 C29.1@1360.26,406.48 1374.97,391.76 1375.48,391.76 1383.47,383.78 1419.45,383.78 1424.45,388.78 1451.77,388.78 v2(1491.14,349.41) ; v2(1386.54,532.96) 1414.41,505.1 1435.12,505.1 1437.16,507.14 1455.05,507.14 C30.1@1455.75,507.83 v2(1481.3,482.28) ; v2(1413.43,830.7) 1396.69,847.44 C26.1@1396.69,855.36 1397.39,854.66 1451.38,854.66 1464.5,841.54 v2(1466.54,841.54) C31.1@1439,814 ; LW_SW4.2@1579.72,620.08 1584.65,625 v2(1653.54,625) ; v1(1624.02,1126.97) 1624.02,1131.89 1664.37,1172.24 U1.3@1676.18,1172.24 ; C37.2@2244.09,999.02 2327.76,999.02 v2(2342.52,1013.78)